# Altium PCB PowerBoardController.PcbDoc (part 2 of 2) (continued)
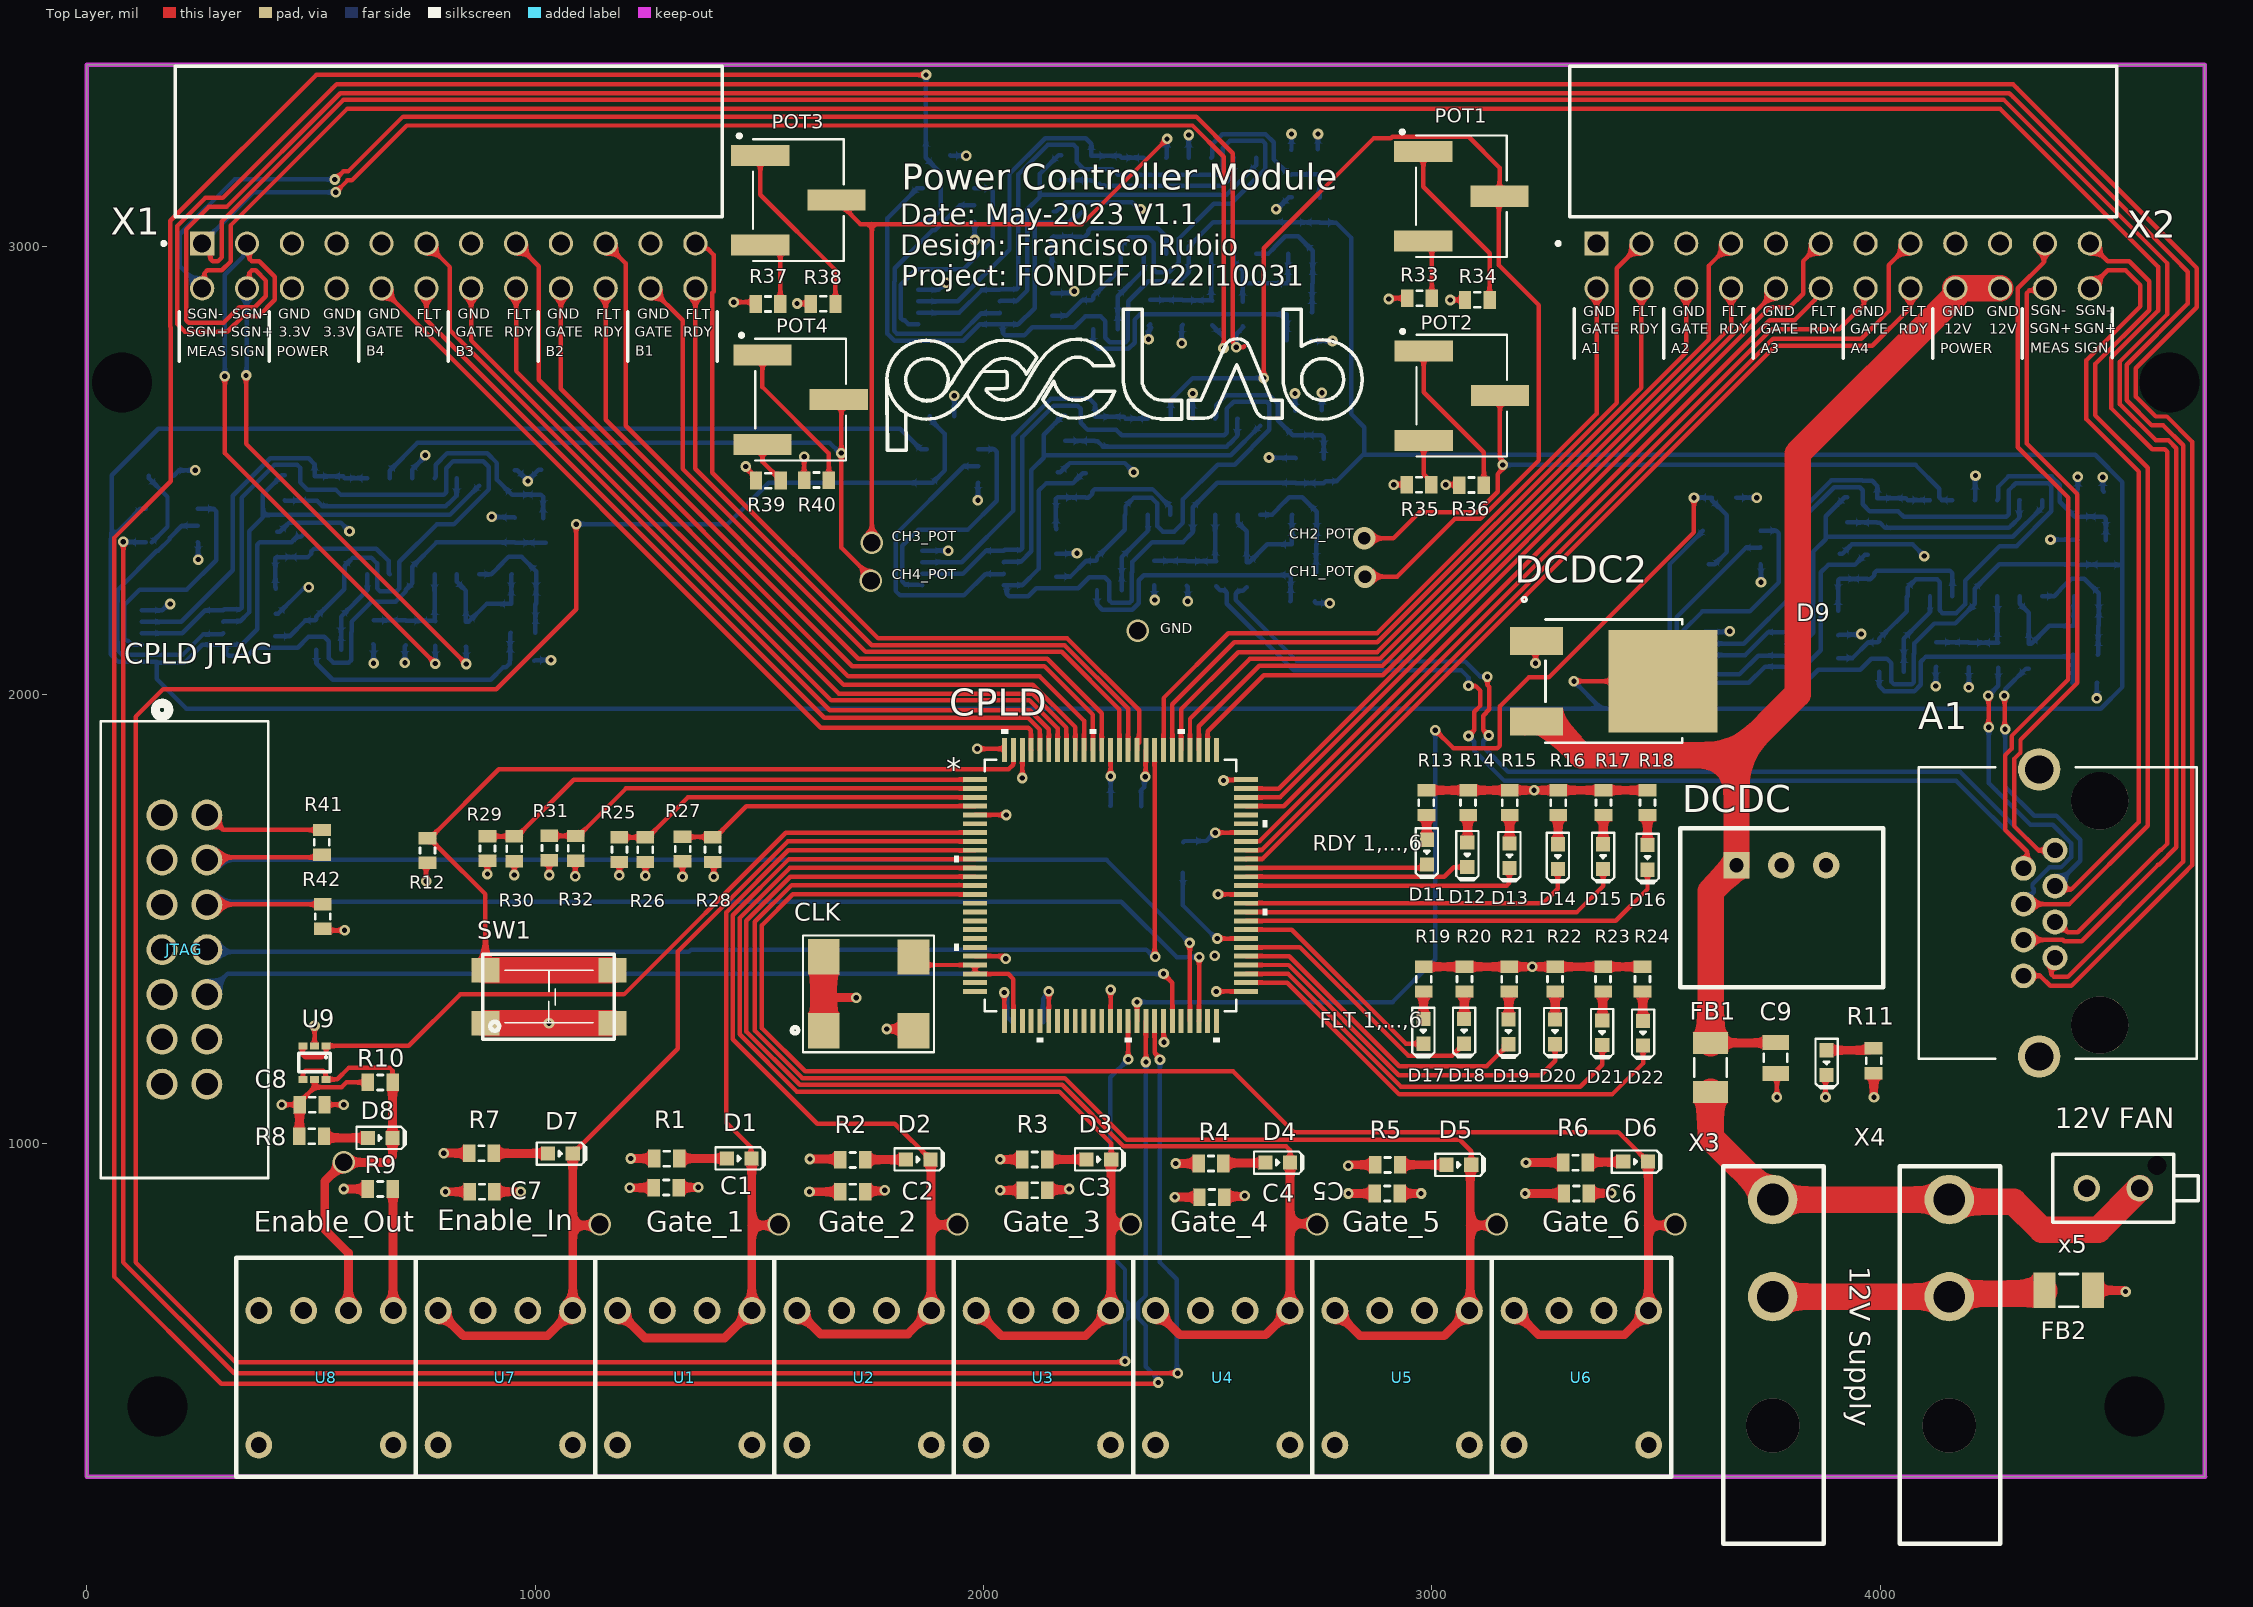
[diagram p0: Top Layer view]
## Nets (pads, with @x,y where several pads share a name; then routed paths per layer and width w, separated by ;. In a path a pad name is that pad's centre, name@x,y a point inside that pad or via, vN(x,y) a via of type N, cw(c..) or ccw(c..) an arc to the next point about the centre after c; other vN are vias at no path point) (continued)
JTAG_TCK: CPLD.48 JTAG.6 R42.2 | length 2669.9
  Top Layer w10: JTAG.6@268,1532 268.73,1532.73 525.84,1532.73 R42.2@526.57,1533.46 ; CPLD.48@2480.32,1272.55 2480.82,1273.05 2480.82,1414.79 v2(2481.38,1415.35)
  Bottom Layer w10: JTAG.6@268,1532 275,1539 2307.46,1539 2431.1,1415.35 v2(2481.38,1415.35)
JTAG_TDI: CPLD.45 JTAG.10 | length 2266.2
  Top Layer w10: v2(2401.57,1377.95) 2421.26,1358.27 CPLD.45@2421.26,1272.55
  Bottom Layer w10: JTAG.10@268,1332 313.95,1377.95 v2(2401.57,1377.95)
JTAG_TDO: CPLD.83 JTAG.8 | length 2586.6
  Top Layer w10: CPLD.83@2381.89,1877.05 2381.89,1417.32 v2(2382.87,1416.34)
  Bottom Layer w10: JTAG.8@268,1432 273,1427 1342.75,1427 1347.75,1432 2363.53,1432 2379.19,1416.34 v2(2382.87,1416.34)
JTAG_TMS: CPLD.47 JTAG.4 R41.1 | length 2704.5
  Top Layer w10: JTAG.4@268,1632 273.85,1637.85 518.76,1637.85 R41.1@524.61,1643.7 ; v2(2459.65,1446.85) 2460.14,1446.36 2460.14,1273.05 CPLD.47@2460.63,1272.55
  Bottom Layer w10: JTAG.4@268,1632 2274.5,1632 v2(2459.65,1446.85)
LED_green_1: CPLD.65 D11.2 | length 406.5
  Top Layer w10: CPLD.65@2585.71,1614.17 2981.17,1614.17 D11.2@2989,1622
LED_green_2: CPLD.64 D12.2 | length 502.1
  Top Layer w10: CPLD.64@2585.71,1594.49 3027.49,1594.49 3048.88,1615.88 D12.2@3079,1615.88
LED_green_3: CPLD.63 D13.2 | length 622.9
  Top Layer w10: CPLD.63@2585.71,1574.8 3167.14,1574.8 3173,1580.66 D13.2@3173,1613.88
LED_green_4: CPLD.61 D14.2 | length 752.7
  Top Layer w10: CPLD.61@2585.71,1535.43 3248.43,1535.43 3281,1568 D14.2@3281,1611.88
LED_green_5: CPLD.60 D15.2 | length 858.3
  Top Layer w10: CPLD.60@2585.71,1515.75 3323.75,1515.75 3382,1574 D15.2@3382,1611.88
LED_green_6: CPLD.59 D16.2 | length 967.7
  Top Layer w10: CPLD.59@2585.71,1496.06 3410.06,1496.06 3481,1567 D16.2@3481,1610
LED_red_1: CPLD.58 D17.2 | length 500.7
  Top Layer w10: CPLD.58@2585.71,1476.38 2687.69,1476.38 2942.18,1221.88 D17.2@2981,1221.88
LED_red_2: CPLD.56 D18.2 | length 597.1
  Top Layer w10: CPLD.56@2585.71,1437.01 2705.85,1437.01 2947.21,1195.65 3045.77,1195.65 D18.2@3072,1221.88
LED_red_3: CPLD.55 D19.2 | length 707.1
  Top Layer w10: CPLD.55@2585.71,1417.32 2682.32,1417.32 2927.64,1172 3122.12,1172 D19.2@3171,1220.88
LED_red_4: CPLD.54 D20.2 | length 841.3
  Top Layer w10: CPLD.54@2585.71,1397.64 2680.79,1397.64 2926.43,1152 3243,1152 3275,1184 D20.2@3275,1221
LED_red_5: CPLD.53 D21.2 | length 962.8
  Top Layer w10: CPLD.53@2585.71,1377.95 2679.26,1377.95 2931.21,1126 3331,1126 3380,1175 D21.2@3380,1218.88
LED_red_6: CPLD.52 D22.2 | length 1057
  Top Layer w10: CPLD.52@2585.71,1358.27 2677.73,1358.27 2927,1109 3402,1109 3471,1178 D22.2@3471,1217.88
NetC1_ADC1_1: C1_ADC1.1 R2_ADC1.2 R3_ADC1.1 U1_ADC1.3 | length 243
  Bottom Layer w10: C1_ADC1.1@2381.17,2299.66 2381.66,2299.17 2452.52,2299.17 R3_ADC1.1@2453.02,2298.68 2453.51,2298.18 R2_ADC1.2@2518.47,2298.18 ; U1_ADC1.3@2516.8,2401.86 2516.8,2299.86 R2_ADC1.2@2518.47,2298.18 ; R2_ADC1.2@2518.96,2297.69 R2_ADC1.2@2518.47,2298.18
NetC1_ADC2_1: C1_ADC2.1 R2_ADC2.2 R3_ADC2.1 U1_ADC2.3 | length 243
  Bottom Layer w10: C1_ADC2.1@4125.47,2117.93 4125.97,2117.44 4196.83,2117.44 R3_ADC2.1@4197.32,2116.95 4197.82,2116.45 R2_ADC2.2@4262.78,2116.45 ; U1_ADC2.3@4261.1,2220.13 4261.1,2118.13 R2_ADC2.2@4262.78,2116.45 ; R2_ADC2.2@4263.27,2115.96 R2_ADC2.2@4262.78,2116.45
NetC1_ADC3_1: C1_ADC3.1 R2_ADC3.2 R3_ADC3.1 U1_ADC3.3 | length 243
  Bottom Layer w10: C1_ADC3.1@2372.31,2881.35 2372.8,2880.86 2443.67,2880.86 R3_ADC3.1@2444.16,2880.37 2444.65,2879.88 R2_ADC3.2@2509.61,2879.88 ; U1_ADC3.3@2507.94,2983.56 2507.94,2881.55 R2_ADC3.2@2509.61,2879.88 ; R2_ADC3.2@2510.1,2879.39 R2_ADC3.2@2509.61,2879.88
NetC1_ADC4_1: C1_ADC4.1 R2_ADC4.2 R3_ADC4.1 U1_ADC4.3 | length 243
  Bottom Layer w10: C1_ADC4.1@640.02,2166.79 640.52,2166.29 711.38,2166.29 R3_ADC4.1@711.87,2165.8 712.37,2165.31 R2_ADC4.2@777.33,2165.31 ; U1_ADC4.3@775.65,2268.99 775.65,2166.98 R2_ADC4.2@777.33,2165.31 ; R2_ADC4.2@777.82,2164.82 R2_ADC4.2@777.33,2165.31
NetC2_ADC1_1: C2_ADC1.1 R1_ADC1.2 R4_ADC1.1 U1_ADC1.2 | length 298.4
  Bottom Layer w10: U1_ADC1.2@2566.8,2401.86 2566.8,2385.13 2586.87,2365.05 R1_ADC1.2@2586.87,2295.72 2592.78,2295.72 2632.81,2335.76 R4_ADC1.1@2687.27,2335.76 2688.09,2336.58 2688.09,2401.22 C2_ADC1.1@2688.92,2402.05
NetC2_ADC1_2: C2_ADC1.2 R4_ADC1.2 R5_ADC1.1 U1_ADC1.1 | length 294.3
  Bottom Layer w10: U1_ADC1.1@2616.8,2401.86 2643.61,2401.86 2657.52,2415.78 2657.52,2416.75 2681.82,2441.05 2710.94,2441.05 2743.21,2408.78 2743.21,2336.58 R4_ADC1.2@2742.39,2335.76 2741.89,2335.26 2741.89,2272.27 R5_ADC1.1@2741.4,2271.78
NetC2_ADC2_1: C2_ADC2.1 R1_ADC2.2 R4_ADC2.1 U1_ADC2.2 | length 298.4
  Bottom Layer w10: U1_ADC2.2@4311.1,2220.13 4311.1,2203.4 4331.18,2183.32 R1_ADC2.2@4331.18,2113.99 4337.09,2113.99 4377.12,2154.02 R4_ADC2.1@4431.58,2154.02 4432.4,2154.85 4432.4,2219.49 C2_ADC2.1@4433.23,2220.32
NetC2_ADC2_2: C2_ADC2.2 R4_ADC2.2 R5_ADC2.1 U1_ADC2.1 | length 294.3
  Bottom Layer w10: U1_ADC2.1@4361.1,2220.13 4387.91,2220.13 4401.83,2234.05 4401.83,2235.02 4426.13,2259.32 4455.25,2259.32 4487.52,2227.05 4487.52,2154.85 R4_ADC2.2@4486.69,2154.02 4486.2,2153.53 4486.2,2090.54 R5_ADC2.1@4485.71,2090.05
NetC2_ADC3_1: C2_ADC3.1 R1_ADC3.2 R4_ADC3.1 U1_ADC3.2 | length 284
  Bottom Layer w10: U1_ADC3.2@2557.94,2983.56 2557.94,2966.82 2578.02,2946.75 2578.02,2912.08 ; R1_ADC3.2@2578.02,2877.42 2578.02,2912.08 ; C2_ADC3.1@2680.06,2983.74 2679.24,2982.91 2679.24,2918.28 2584.21,2918.28 2578.02,2912.08
NetC2_ADC3_2: C2_ADC3.2 R4_ADC3.2 R5_ADC3.1 U1_ADC3.1 | length 294.3
  Bottom Layer w10: U1_ADC3.1@2607.94,2983.56 2634.75,2983.56 2648.66,2997.47 2648.66,2998.45 2672.96,3022.74 2702.09,3022.74 2734.35,2990.47 2734.35,2918.28 R4_ADC3.2@2733.53,2917.45 2733.04,2916.96 2733.04,2853.96 R5_ADC3.1@2732.54,2853.47
NetC2_ADC4_1: C2_ADC4.1 R1_ADC4.2 R4_ADC4.1 U1_ADC4.2 | length 298.4
  Bottom Layer w10: U1_ADC4.2@825.65,2268.99 825.65,2252.26 845.73,2232.18 R1_ADC4.2@845.73,2162.85 851.64,2162.85 891.67,2202.88 R4_ADC4.1@946.13,2202.88 946.95,2203.71 946.95,2268.35 C2_ADC4.1@947.78,2269.17
NetC2_ADC4_2: C2_ADC4.2 R4_ADC4.2 R5_ADC4.1 U1_ADC4.1 | length 294.3
  Bottom Layer w10: U1_ADC4.1@875.65,2268.99 902.46,2268.99 916.38,2282.91 916.38,2283.88 940.68,2308.17 969.8,2308.17 1002.07,2275.91 1002.07,2203.71 R4_ADC4.2@1001.24,2202.88 1000.75,2202.39 1000.75,2139.4 R5_ADC4.1@1000.26,2138.91
NetC4_ADC1_1: C4_ADC1.1 R8_ADC1.1 R9_ADC1.2 U1_ADC1.5 | length 370.8
  Bottom Layer w10: C4_ADC1.1@2162.66,2369.54 2162.66,2372.5 2161.68,2373.48 2161.68,2437.46 R9_ADC1.2@2165.61,2441.39 2166.6,2440.41 2226.64,2440.41 R8_ADC1.1@2227.62,2439.43 2233.53,2439.43 2242.31,2448.2 2242.31,2453.25 2248.17,2459.11 2376.84,2459.11 2416.8,2419.15 U1_ADC1.5@2416.8,2401.86
NetC4_ADC2_1: C4_ADC2.1 R8_ADC2.1 R9_ADC2.2 U1_ADC2.5 | length 390.8
  Bottom Layer w10: C4_ADC2.1@3906.97,2187.81 3906.97,2190.76 3905.99,2191.75 3905.99,2255.72 R9_ADC2.2@3909.92,2259.66 3910.91,2258.68 3970.95,2258.68 R8_ADC2.1@3971.93,2257.69 3977.84,2257.69 3986.61,2266.47 3986.61,2271.52 3992.47,2277.38 4155.25,2277.38 4161.1,2271.52 U1_ADC2.5@4161.1,2220.13
NetC4_ADC3_1: C4_ADC3.1 R8_ADC3.1 R9_ADC3.2 U1_ADC3.5 | length 383.3
  Bottom Layer w10: C4_ADC3.1@2153.8,2951.24 2153.8,2954.19 2152.82,2955.17 2152.82,3019.15 R9_ADC3.2@2156.76,3023.09 2157.74,3022.1 2217.78,3022.1 R8_ADC3.1@2218.76,3021.12 2224.67,3021.12 2233.45,3029.9 2233.45,3034.95 2239.31,3040.8 2389.2,3040.8 2407.94,3022.06 U1_ADC3.5@2407.94,2983.56
NetC4_ADC4_1: C4_ADC4.1 R8_ADC4.1 R9_ADC4.2 U1_ADC4.5 | length 376.7
  Bottom Layer w10: C4_ADC4.1@421.52,2236.67 421.52,2239.62 420.54,2240.61 420.54,2304.58 R9_ADC4.2@424.47,2308.52 425.46,2307.54 485.5,2307.54 R8_ADC4.1@486.48,2306.55 492.39,2306.55 501.17,2315.33 501.17,2320.38 507.02,2326.24 645.76,2326.24 673.05,2298.95 673.05,2271.6 U1_ADC4.5@675.65,2268.99
NetC5_ADC1_1: C5_ADC1.1 R13_ADC1.1 R14_ADC1.2 U1_ADC1.12 | length 389.4
  Bottom Layer w10: U1_ADC1.12@2516.8,2616.43 2519.4,2619.04 2519.4,2646.53 2541.79,2668.91 2637.9,2668.91 2656.07,2650.74 2656.07,2612.66 2689.76,2578.98 R14_ADC1.2@2695.66,2578.98 2696.15,2579.47 2754.23,2579.47 2758.92,2574.77 R13_ADC1.1@2758.92,2527.05
NetC5_ADC2_1: C5_ADC2.1 R13_ADC2.1 R14_ADC2.2 U1_ADC2.12 | length 389.4
  Bottom Layer w10: U1_ADC2.12@4261.1,2434.7 4263.71,2437.31 4263.71,2464.8 4286.09,2487.18 4382.21,2487.18 4400.38,2469.01 4400.38,2430.93 4434.06,2397.24 R14_ADC2.2@4439.97,2397.24 4440.46,2397.74 4498.53,2397.74 4503.23,2393.04 R13_ADC2.1@4503.23,2345.32
NetC5_ADC3_1: C5_ADC3.1 R13_ADC3.1 R14_ADC3.2 U1_ADC3.12 | length 389.4
  Bottom Layer w10: U1_ADC3.12@2507.94,3198.12 2510.54,3200.73 2510.54,3228.22 2531.86,3249.54 2532.93,3250.6 2629.04,3250.6 2647.21,3232.43 2647.21,3194.36 2680.9,3160.67 R14_ADC3.2@2686.8,3160.67 2687.29,3161.16 2745.37,3161.16 2750.06,3156.47 R13_ADC3.1@2750.06,3108.74
NetC5_ADC4_1: C5_ADC4.1 R13_ADC4.1 R14_ADC4.2 U1_ADC4.12 | length 391.4
  Bottom Layer w10: U1_ADC4.12@775.65,2483.56 778.26,2486.16 778.26,2513.65 803.61,2539 893,2539 914.93,2517.07 914.93,2479.79 948.61,2446.1 R14_ADC4.2@954.52,2446.1 955.01,2446.59 1013.08,2446.59 1017.78,2441.9 R13_ADC4.1@1017.78,2394.17
NetD1_1: D1.1 R1.1 | length 106.8
  Top Layer w19.68: R1.1@1321.12,966 D1.1@1427.88,966
NetD2_1: D2.1 R2.1 | length 91.4
  Top Layer w19.68: R2.1@1736,963 1736.5,963.5 1826.5,963.5 D2.1@1827,964
NetD3_1: D3.1 R3.1 | length 88
  Top Layer w19.68: R3.1@2141.88,964 D3.1@2229.88,964
NetD4_1: D4.1 R4.1 | length 94.7
  Top Layer w19.68: R4.1@2535,955 2536,956 2627.88,956 D4.1@2628.88,957
NetD5_1: D5.1 R5.1 | length 103.9
  Top Layer w19.68: R5.1@2929,952 D5.1@3032.88,952
NetD6_1: D6.1 R6.1 | length 78.3
  Top Layer w19.68: R6.1@3348.12,957 3349.12,958 D6.1@3426,958
NetD7_1: D7.1 R7.1 | length 121.3
  Top Layer w19.68: R7.1@908,978 908.5,977.5 1028.38,977.5 D7.1@1028.88,977
NetD8_1: D8.1 R8.1 | length 99.6
  Top Layer w19.68: R8.1@529,1016 529,1015.94 532.94,1012 D8.1@626.88,1012
NetD8_2: D8.2 R10.1 U8.2 U9.4 U9.6 | length 920.5
  Top Layer w10: U9.4@482.41,1142.6 482,1143.01 482,1156.14 487.86,1162 527.14,1162 533,1156.14 533,1144.01 534,1143.01 U9.6@533.59,1142.6 558.43,1142.6 583.83,1168 676.26,1168 682.12,1162.14 R10.1@682.12,1136
  Top Layer w19.68: U8.2@583.7,626.92 583.7,755.07 531,807.77 531,915 v3(573.35,957.35) 668.35,957.35 682,971 D8.2@682,1012 682.06,1012.06 682.06,1135.94 R10.1@682.12,1136
NetD9_1: D9.1 R11.1 | length 106.3
  Top Layer w19.68: D9.1@3880.63,1207.49 3975.2,1207.49 3979.33,1211.61 R11.1@3985.24,1211.61
NetD11_1: D11.1 R13.1 | length 55.6
  Top Layer w19.68: R13.1@2988,1732.28 2988.5,1731.78 2988.5,1677.62 D11.1@2989,1677.12
NetD12_1: D12.1 R14.1 | length 62.1
  Top Layer w19.68: D12.1@3079,1671 3080,1672 3080,1731.28 R14.1@3081,1732.28
NetD13_1: D13.1 R15.1 | length 63.7
  Top Layer w19.68: D13.1@3173,1669 3173.5,1669.5 3173.5,1731.78 R15.1@3174,1732.28
NetD14_1: D14.1 R16.1 | length 65.7
  Top Layer w19.68: D14.1@3281,1667 3281.5,1667.5 3281.5,1731.78 R16.1@3282,1732.28
NetD15_1: D15.1 R17.1 | length 65.7
  Top Layer w19.68: D15.1@3382,1667 3382.5,1667.5 3382.5,1731.78 R17.1@3383,1732.28
NetD16_1: D16.1 R18.1 | length 67.2
  Top Layer w19.68: D16.1@3481,1665.12 R18.1@3481,1732.28
NetD17_1: D17.1 R19.1 | length 62
  Top Layer w19.68: D17.1@2981,1277 2981.5,1277.5 2981.5,1338.08 R19.1@2982,1338.58
NetD18_1: D18.1 R20.1 | length 62
  Top Layer w19.68: D18.1@3072,1277 3072.5,1277.5 3072.5,1338.08 R20.1@3073,1338.58
NetD19_1: D19.1 R21.1 | length 63.4
  Top Layer w19.68: D19.1@3171,1276 3172,1277 3172,1337.58 R21.1@3173,1338.58
NetD20_1: D20.1 R22.1 | length 62.5
  Top Layer w19.68: D20.1@3275,1276.12 R22.1@3275,1338.58
NetD21_1: D21.1 R23.1 | length 65.4
  Top Layer w19.68: D21.1@3380,1274 3381,1275 3381,1337.58 R23.1@3382,1338.58
NetD22_1: D22.1 R24.1 | length 66
  Top Layer w19.68: R24.1@3470,1338.58 3470.5,1338.08 3470.5,1273.5 D22.1@3471,1273
NetPOT1_1: POT1.1 R34.2 | length 392.6
  Top Layer w10: POT1.1@2980.91,3212.2 2980.91,3133.27 3128.94,2985.24 R34.2@3128.94,2880.91
NetPOT1_3: POT1.3 R33.1 | length 135.7
  Top Layer w10: POT1.3@2980.91,3012.2 2981.57,3012.2 3000,2993.78 R33.1@3000,2884.84
NetPOT2_1: POT2.1 R36.2 | length 354.9
  Top Layer w10: POT2.1@2981.89,2767.32 2981.89,2675.11 3116,2541 R36.2@3116,2468
NetPOT2_3: POT2.3 R35.1 | length 105.4
  Top Layer w10: POT2.3@2981.89,2567.32 2981.89,2492.02 2999,2474.91 R35.1@2999,2469
NetPOT3_1: POT3.1 R38.2 | length 400.8
  Top Layer w10: POT3.1@1502.17,3203.35 1502.17,3115.55 1669.88,2947.83 R38.2@1669.88,2872.05
NetPOT3_3: POT3.3 R37.1 | length 165.2
  Top Layer w10: POT3.3@1502.17,3003.35 1528.43,3003.35 1546.85,2984.92 R37.1@1546.85,2872.05
NetPOT4_1: POT4.1 R40.2 | length 340.7
  Top Layer w10: POT4.1@1507.09,2758.46 1507.09,2686.58 1655.18,2538.48 R40.2@1655.18,2479.12
NetPOT4_3: POT4.3 R39.1 | length 100.1
  Top Layer w10: POT4.3@1507.09,2558.46 1507.09,2520.04 1534.31,2492.82 1539.12,2492.82 1547.9,2484.04 R39.1@1547.9,2478.13
NetR6_ADC1_2: R6_ADC1.2 R7_ADC1.2 U1_ADC1.6 | length 192.4
  Bottom Layer w10: R6_ADC1.2@2308.33,2233.72 R7_ADC1.2@2308.33,2301.63 2308.33,2307.54 2366.8,2366 U1_ADC1.6@2366.8,2401.86
NetR6_ADC2_2: R6_ADC2.2 R7_ADC2.2 U1_ADC2.6 | length 192.4
  Bottom Layer w10: R6_ADC2.2@4052.64,2051.98 R7_ADC2.2@4052.64,2119.9 4052.64,2125.8 4111.1,2184.27 U1_ADC2.6@4111.1,2220.13
NetR6_ADC3_2: R6_ADC3.2 R7_ADC3.2 U1_ADC3.6 | length 192.4
  Bottom Layer w10: R6_ADC3.2@2299.47,2815.41 R7_ADC3.2@2299.47,2883.32 2299.47,2889.23 2357.94,2947.69 U1_ADC3.6@2357.94,2983.56
NetR6_ADC4_2: R6_ADC4.2 R7_ADC4.2 U1_ADC4.6 | length 192.4
  Bottom Layer w10: R6_ADC4.2@567.19,2100.84 R7_ADC4.2@567.19,2168.76 567.19,2174.66 625.65,2233.13 U1_ADC4.6@625.65,2268.99
NetR9_1: R9.1 U8.1 | length 271.7
  Top Layer w19.68: R9.1@682.12,898 682.91,897.21 682.91,627.71 U8.1@683.7,626.92
NetR11_ADC1_2: R11_ADC1.2 R12_ADC1.2 U1_ADC1.13 | length 438.2
  Bottom Layer w10: R12_ADC1.2@2182.35,2567.38 2183.33,2566.39 2248.29,2566.39 R11_ADC1.2@2249.28,2565.41 2255.18,2565.41 2266.54,2554.05 2542.13,2554.05 2548.53,2560.44 2549.06,2560.44 2566.23,2577.6 2566.23,2615.86 U1_ADC1.13@2566.8,2616.43
NetR11_ADC2_2: R11_ADC2.2 R12_ADC2.2 U1_ADC2.13 | length 438.2
  Bottom Layer w10: R12_ADC2.2@3926.65,2385.65 3927.64,2384.66 3992.6,2384.66 R11_ADC2.2@3993.58,2383.68 3999.49,2383.68 4010.85,2372.32 4286.44,2372.32 4292.84,2378.71 4293.37,2378.71 4310.53,2395.87 4310.53,2434.13 U1_ADC2.13@4311.1,2434.7
NetR11_ADC3_2: R11_ADC3.2 R12_ADC3.2 U1_ADC3.13 | length 438.2
  Bottom Layer w10: R12_ADC3.2@2173.49,3149.07 2174.47,3148.09 2239.43,3148.09 R11_ADC3.2@2240.42,3147.1 2246.32,3147.1 2257.68,3135.74 2533.28,3135.74 2539.67,3142.13 2540.21,3142.13 2557.37,3159.3 2557.37,3197.55 U1_ADC3.13@2557.94,3198.12
NetR11_ADC4_2: R11_ADC4.2 R12_ADC4.2 U1_ADC4.13 | length 438.2
  Bottom Layer w10: R12_ADC4.2@441.2,2434.5 442.19,2433.52 507.15,2433.52 R11_ADC4.2@508.13,2432.54 514.04,2432.54 525.4,2421.17 800.99,2421.17 807.39,2427.57 807.92,2427.57 825.08,2444.73 825.08,2482.99 U1_ADC4.13@825.65,2483.56
PGND: JTAG.13
R_POT_1: POT1.2 U1_ADC1.10 | length 2401.4
  Top Layer w10: v1(2625,2706.69) 2625,2996.06 2870.08,3241.14 2908.82,3241.14 2912.24,3244.57 3082.2,3244.57 3150.98,3175.79 POT1.2@3150.98,3112.2 3149.61,3110.83 3149.61,2958.39 3239,2869 3239,2523.68 3107.72,2392.4 3051.4,2392.4 2923,2264 v4(2851,2264)
  Bottom Layer w10: U1_ADC1.10@2416.8,2616.43 2417.55,2617.19 2417.55,2657.69 2466.55,2706.69 v1(2625,2706.69)
R_POT_2: POT2.2 U1_ADC2.10 | length 1619.9
  Top Layer w10: v4(2849,2349) 2914,2349 2972.4,2407.4 3101.5,2407.4 3147.25,2453.15 3147.25,2492.57 3164,2509.31 v1@3164,2513 ; POT2.2@3151.97,2667.32 3151.97,2528.72 3164,2516.69 v1@3164,2513 ; v1(3158.25,2513) v1@3164,2513
  Bottom Layer w10: v1(3158.25,2513) 4078.88,2513 4131.85,2460.03 4131.85,2440.56 4137.71,2434.7 U1_ADC2.10@4161.1,2434.7
R_POT_3: POT3.2 U1_ADC3.10 | length 1591.1
  Top Layer w10: POT3.2@1672.24,3103.35 1725.39,3050.2 1750.98,3050.2 ; v3(1750.98,2339.57) 1750.98,2631.26 1751.06,2631.34 1751.06,2685.59 1750.98,2685.67 1750.98,3050.2 ; v1(2409.45,3240.08) 2219.57,3050.2 1750.98,3050.2
  Bottom Layer w10: U1_ADC3.10@2407.94,3198.12 2408.69,3198.88 2408.69,3239.32 v1(2409.45,3240.08)
R_POT_4: POT4.2 U1_ADC4.10 | length 1492.4
  Top Layer w10: POT4.2@1677.17,2658.46 1683.07,2652.56 v1(1683.07,2539.37) 1683.07,2328.74 1749.02,2262.8 v3(1749.02,2254.92)
  Bottom Layer w10: U1_ADC4.10@675.65,2483.56 675.65,2500.29 737.37,2562.01 1657.31,2562.01 1679.94,2539.37 v1(1683.07,2539.37)
RST: CPLD.99 R12.1 SW1.3 | length 2038.7
  Top Layer w10: R12.1@759.84,1680.6 R12.1@765.75,1680.6 ; R12.1@763.73,1680.6 R12.1@765.75,1680.6 ; SW1.3@889.27,1386.06 889.27,1555.39 790.81,1653.85 790.48,1653.85 774.53,1669.8 774.53,1671.82 R12.1@765.75,1680.6 ; CPLD.99@2066.93,1877.05 2066.43,1876.55 2066.43,1844.43 2056,1834 919.15,1834 R12.1@765.75,1680.6
  Top Layer w59.06: SW1.3@889.27,1386.06 SW1.3@1172.73,1386.06
Rx1: CPLD.9 D1.2 U1.1 U1.4 | length 1935.2
  Top Layer w10: D1.2@1483,966 1481.55,967.45 1481.55,990.89 1426.1,1046.34 1426.1,1514.89 1564.75,1653.54 CPLD.9@1981.21,1653.54
  Top Layer w19.68: U1.4@1183.7,626.93 1244.68,565.94 1422.72,565.94 1483.35,626.58 1483.35,817 ; D1.2@1483,966 1483.35,965.65 1483.35,817 ; v3(1543.07,819.02) 1541.06,817 1483.35,817
Rx2: CPLD.10 D2.2 U2.1 U2.4 | length 2160.4
  Top Layer w10: D2.2@1882.12,964 1802.44,1043.68 1629.55,1043.68 1441.1,1232.13 1441.1,1508.68 1566.28,1633.86 CPLD.10@1981.21,1633.86
  Top Layer w19.68: U2.4@1583.7,626.93 1635.83,574.8 1831.57,574.8 1882.91,626.14 1882.91,818 ; D2.2@1882.12,964 1882.91,963.21 1882.91,818 ; v3(1942.05,819.02) 1941.03,818 1882.91,818
Rx3: CPLD.11 D3.2 U3.1 U3.4 | length 2524.6
  Top Layer w10: CPLD.11@1981.21,1614.17 1567.81,1614.17 1456.1,1502.47 1456.1,1243.05 1583.72,1115.43 2169.19,1115.43 2285,999.63 D3.2@2285,964
  Top Layer w19.68: U3.4@1983.7,626.92 2039.76,570.87 2227.65,570.87 2284.35,627.57 2284.35,820 ; D3.2@2285,964 2284.35,963.35 2284.35,820 ; v3(2328.38,819.02) 2327.4,820 2284.35,820
Rx4: CPLD.12 D4.2 U4.1 U4.4 | length 2883.6
  Top Layer w10: CPLD.12@1981.21,1594.49 1569.34,1594.49 1471.1,1496.25 1471.1,1249.27 1589.94,1130.43 2175.41,1130.43 2312.84,993 2675,993 2684,984 D4.2@2684,957
  Top Layer w19.68: U4.4@2383.7,626.92 2437.79,572.83 2629.61,572.83 2683.85,627.07 2683.85,821 ; D4.2@2684,957 2683.85,956.85 2683.85,821 ; v3(2744.06,819.02) 2742.07,821 2683.85,821
Rx5: CPLD.13 D5.2 U5.1 U5.4 | length 3240.9
  Top Layer w10: CPLD.13@1981.21,1574.8 1980.71,1575.3 1955.54,1575.3 1954.84,1576 1572.06,1576 1490.16,1494.09 1490.16,1251.42 1596.15,1145.43 2181.62,1145.43 2319.05,1008 3062,1008 3088,982 D5.2@3088,952
  Top Layer w19.68: U5.4@2783.7,626.92 2839.76,570.87 3027.65,570.87 3085.85,629.07 3085.85,817 ; D5.2@3088,952 3085.85,949.85 3085.85,817 ; v3(3145.04,819.02) 3143.02,817 3085.85,817
Rx6: CPLD.14 D6.2 U6.1 U6.4 | length 3569.5
  Top Layer w10: CPLD.14@1981.21,1555.12 1574.8,1555.12 1506,1486.31 1506,1256.8 1602.36,1160.43 2556.57,1160.43 2692,1025 3416.12,1025 D6.2@3482.12,959
  Top Layer w19.68: U6.4@3183.7,626.92 3237.79,572.83 3429.61,572.83 3482.91,626.13 3482.91,817 ; D6.2@3482.91,958.21 3482.91,817 ; v3(3543.07,819.02) 3541.06,817 3482.91,817
TRIP_1: CPLD.40 NAND_ADC1.4 R15_ADC1.2 | length 6590.4
  Top Layer w10: v1(1091.54,2380.91) 1091.54,2190.94 913.39,2012.8 170.28,2012.8 109.25,1951.77 109.25,734.25 331.86,511.64 2313.46,511.64 v1(2315.68,513.86) ; v2(2322.83,1187.01) CPLD.40@2322.83,1272.55
  Bottom Layer w10: v1(1091.54,2380.91) 1428.97,2380.91 1521.25,2473.19 NAND_ADC1.4@1873.25,2473.19 1886.5,2473.19 1913.92,2500.61 1913.92,2582.14 1879.92,2616.14 R15_ADC1.2@1879.92,2622.05 ; v1(2315.68,513.86) 2315.68,603.83 2322.64,610.79 2322.64,643.05 2315.68,650.01 2315.68,718.32 2283,751 2283,1147.17 v2(2322.83,1187.01)
TRIP_2: CPLD.41 NAND_ADC2.4 R15_ADC2.2 | length 2407.3
  Top Layer w10: CPLD.41@2342.52,1272.55 v2(2342.52,1314.96) ; v1(3007.87,1921.26) 3048.13,1881 3146.14,1881 3152,1886.86 3152,1975 3216,2039 3261,2039 3584.65,2362.65 v1(3584.65,2439.96)
  Bottom Layer w10: v2(2342.52,1314.96) 2912.4,1314.96 3007.87,1410.43 v1(3007.87,1921.26) ; v1(3584.65,2439.96) 3623.87,2439.96 R15_ADC2.2@3624.23,2440.32 3624.23,2434.41 3658.23,2400.41 3658.23,2318.88 3630.81,2291.46 NAND_ADC2.4@3617.56,2291.46
TRIP_3: CPLD.42 NAND_ADC3.4 R15_ADC3.2 | length 7856
  Top Layer w10: v1(1872.05,3382.75) 511.75,3382.75 186.54,3057.54 186.54,2821.08 187.6,2820.02 187.6,2476.78 60.94,2350.13 60.94,702.83 300.2,463.58 2377.26,463.58 2377.53,463.85 2387.16,463.85 v1(2389.76,466.46) ; CPLD.42@2362.2,1272.55 2362.26,1272.5 2362.26,1181.28 v2(2362.32,1181.22)
  Bottom Layer w10: NAND_ADC3.4@1864.39,3054.88 1877.64,3054.88 1905.06,3082.3 1905.06,3163.83 1871.06,3197.83 R15_ADC3.2@1871.06,3203.74 1871.56,3204.23 1871.56,3382.26 v1(1872.05,3382.75) ; v2(2362.32,1181.22) 2362.32,660.61 2344.76,643.05 2344.76,610.79 2362.32,593.24 2362.32,501.85 2387.16,477.02 2387.16,469.06 v1(2389.76,466.46)
TRIP_4: CPLD.43 NAND_ADC4.4 R15_ADC4.2 | length 5098.8
  Top Layer w10: v1(81.69,2341.54) 81.69,734.25 328.74,487.2 v1(2433.07,487.2) ; CPLD.43@2381.89,1272.55 2381.89,1201.52 2393.7,1189.71 v2(2393.7,1186.02)
  Bottom Layer w10: v1(81.69,2341.54) 82.3,2340.93 131.5,2340.93 NAND_ADC4.4@132.11,2340.32 ; R15_ADC4.2@138.78,2489.17 138.78,2483.27 180.12,2441.93 180.12,2375.07 NAND_ADC4.4@145.36,2340.32 ; v2(2393.7,1186.02) 2393.7,734.25 2431.1,696.85 2431.1,489.17 v1(2433.07,487.2)
pads on no net: A1. CPLD.6 CPLD.15 CPLD.16 CPLD.17 CPLD.18 CPLD.19 CPLD.20 CPLD.24 CPLD.25 CPLD.28 CPLD.29 CPLD.30 CPLD.32 CPLD.33 CPLD.34 CPLD.35 CPLD.36 CPLD.37 CPLD.39 CPLD.46 CPLD.49 CPLD.50 CPLD.70 CPLD.71 CPLD.76 JTAG.1 JTAG.12 U1.5 U1.8 U2.5 U2.8 U3.5 U3.8 U4.5 U4.8 U5.5 U5.8 U6.5 U6.8 U7.5 U7.8 U8.3 U8.4 U8.5 U8.8 x5.
copper on no net:
  other v5: 3760.32,370.52 4154.02,370.52

## Polygon pours and split planes (outlines as drawn)
GND_EXT on Bottom Layer "GND_EXT" (solid, pour order 6): 3681.1,551.18 3562.99,669.29 3562.99,1141.73 3602.36,1181.1 4212.6,1181.1 4330.71,1062.99 4685.04,1062.99 4724.41,1023.62 4724.41,610.24 4665.35,551.18
GND on GND "GND_L02_P000" (solid, pour order 0): 0,255.91 0,3405.51 4724.41,3405.51 4724.41,255.91
3.3V on 3.3V "3.3V_L03_P001" (solid, pour order 1): 0,255.91 0,3405.51 4724.41,3405.51 4724.41,255.91

## Keep-outs
Keep-Out Layer:
  lines w10: 0,256 0,3405 4724,3405 4724,257 4725,256 0,256

## Silkscreen, mask and mechanical layers (free items; w line width, h text height)
Top Overlay:
  drawing of 630 lines, arcs and shapes, not listed
  text "Power Controller Module" at 1817.51,3107.44 h98.43
  text "Date: May-2023 V1.1" at 1813.98,3034.45 h78.74
  text "Design: Francisco Rubio" at 1813.98,2964.57 h78.74
  text "Project: FONDEF ID22I10031" at 1816.93,2896.65 h78.74
  text "SGN-" at 4336.18,2838.52 h39.37
  text "SGN-" at 4436.18,2838.52 h39.37
  text "GND" at 3338.07,2837.05 h39.37
  text "FLT" at 3446.97,2836.8 h39.37
  text "GND" at 3537.87,2837.05 h39.37
  text "FLT" at 3646.77,2836.8 h39.37
  text "GND" at 3737.87,2837.05 h39.37
  text "FLT" at 3846.77,2836.8 h39.37
  text "GND" at 3937.87,2837.05 h39.37
  text "FLT" at 4046.77,2836.8 h39.37
  text "GND" at 4137.87,2837.05 h39.37
  text "GND" at 4237.87,2837.05 h39.37
  text "SGN-" at 224.96,2830.65 h39.37
  text "SGN-" at 324.96,2830.65 h39.37
  text "GND" at 427.37,2830.65 h39.37
  text "GND" at 527.37,2830.65 h39.37
  text "GND" at 627.37,2830.65 h39.37
  text "GND" at 827.37,2830.65 h39.37
  text "GND" at 1027.37,2830.65 h39.37
  text "GND" at 1227.37,2830.65 h39.37
  text "FLT" at 736.27,2830.39 h39.37
  text "FLT" at 936.27,2830.39 h39.37
  text "FLT" at 1136.27,2830.39 h39.37
  text "FLT" at 1336.27,2830.39 h39.37
  text "SGN+" at 4333.05,2799.15 h39.37
  text "SGN+" at 4433.05,2799.15 h39.37
  text "GATE" at 3333.39,2797.68 h39.37
  text "GATE" at 3533.19,2797.68 h39.37
  text "GATE" at 3733.19,2797.68 h39.37
  text "GATE" at 3933.19,2797.68 h39.37
  text "RDY" at 3441.64,2797.43 h39.37
  text "RDY" at 3641.44,2797.43 h39.37
  text "RDY" at 3841.44,2797.43 h39.37
  text "RDY" at 4041.44,2797.43 h39.37
  text "12V" at 4143.22,2797.43 h39.37
  text "12V" at 4243.22,2797.43 h39.37
  text "SGN+" at 221.83,2791.28 h39.37
  text "SGN+" at 321.83,2791.28 h39.37
  text "3.3V" at 427.93,2791.28 h39.37
  text "3.3V" at 527.93,2791.28 h39.37
  text "GATE" at 622.69,2791.28 h39.37
  text "RDY" at 730.93,2791.02 h39.37
  text "GATE" at 822.69,2791.28 h39.37
  text "RDY" at 930.93,2791.02 h39.37
  text "GATE" at 1022.69,2791.28 h39.37
  text "RDY" at 1130.93,2791.02 h39.37
  text "GATE" at 1222.69,2791.28 h39.37
  text "RDY" at 1330.93,2791.02 h39.37
  text "MEAS SIGN" at 4334.79,2755.8 h39.37
  text "A4" at 3933.88,2754.5 h39.37
  text "A1" at 3333.88,2754.33 h39.37
  text "A2" at 3533.88,2754.46 h39.37
  text "A3" at 3733.88,2754.33 h39.37
  text "POWER" at 4133.88,2754.33 h39.37
  text "MEAS SIGN" at 223.57,2747.93 h39.37
  text "POWER" at 423.38,2747.93 h39.37
  text "B4" at 623.38,2748.19 h39.37
  text "B3" at 823.38,2747.93 h39.37
  text "B2" at 1023.38,2748.1 h39.37
  text "B1" at 1223.38,2748.2 h39.37
  text "CH2_POT" at 2682.39,2340.75 h39.37
  text "CH3_POT" at 1795.68,2335.48 h39.37
  text "CH1_POT" at 2682.39,2256.75 h39.37
  text "CH4_POT" at 1795.68,2249.85 h39.37
  text "GND" at 2394.13,2129.36 h39.37
  text "CPLD JTAG" at 83.42,2053.44 h78.74
  text "RDY 1,...,6" at 2734.92,1639.75 h59.06
  text "FLT 1,...,6" at 2749.95,1245.07 h59.06
  text "12V FAN" at 4389.76,1018.13 h78.74
  text "Enable_In" at 782,790 h78.74
  text "Enable_Out" at 372,787.4 h78.74
  text "Gate_1" at 1248,787.4 h78.74
  text "Gate_2" at 1632,787.4 h78.74
  text "Gate_3" at 2043,787.4 h78.74
  text "Gate_4" at 2417,787.4 h78.74
  text "Gate_5" at 2800,787.4 h78.74
  text "Gate_6" at 3246,787.4 h78.74
  text "12V Supply" at 3916.95,726.15 h78.74 r270

## Dimensions
4724.41,255.91 to 4724.41,3405.51 on Mechanical 1
0,255.91 to 4724.41,255.91 on Mechanical 1

## Text inside footprints (layer, text, board x,y; h text height)
CPLD: Top Overlay "*" at 1916.96,1810.87 h50; Mechanical 13 "*" at 2010.46,1795.87 h50
NAND_ADC1: Mechanical 13 "*" at 1968,2524.99 h50; Bottom Overlay "*" at 2011.25,2562.99 h50
NAND_ADC2: Mechanical 13 "*" at 3712.31,2343.26 h50; Bottom Overlay "*" at 3755.56,2381.26 h50
NAND_ADC3: Mechanical 13 "*" at 1959.14,3106.69 h50; Bottom Overlay "*" at 2002.39,3144.69 h50
NAND_ADC4: Mechanical 13 "*" at 226.86,2392.12 h50; Bottom Overlay "*" at 270.11,2430.12 h50
U2_ADC1: Mechanical 13 "*" at 1896.12,2275.23 h50 r180; Bottom Overlay "*" at 1841.12,2233.84 h50 r180
U2_ADC2: Mechanical 13 "*" at 3640.43,2093.5 h50 r180; Bottom Overlay "*" at 3585.43,2052.11 h50 r180
U2_ADC3: Mechanical 13 "*" at 1887.26,2856.92 h50 r180; Bottom Overlay "*" at 1832.26,2815.54 h50 r180
U2_ADC4: Mechanical 13 "*" at 154.98,2142.35 h50 r180; Bottom Overlay "*" at 99.98,2100.97 h50 r180
X1: Mechanical 13 "PCB Edge" at 1437.17,3421.46 h39.46
X2: Mechanical 13 "PCB Edge" at 4547.17,3421.46 h39.46